# Altium PCB Stabilizer.PCBDOC (part 4 of 8)
Units mil, origin at the board's own origin, x right, y up, seen from the top; angles counter-clockwise.
Board outline 6397 x 3937 mil, 4 copper layers (Top, GP1(GND), L3, Bot), stack 64.883 mil thick; 687 components, 419 nets, 2137 pads, 1042 vias.
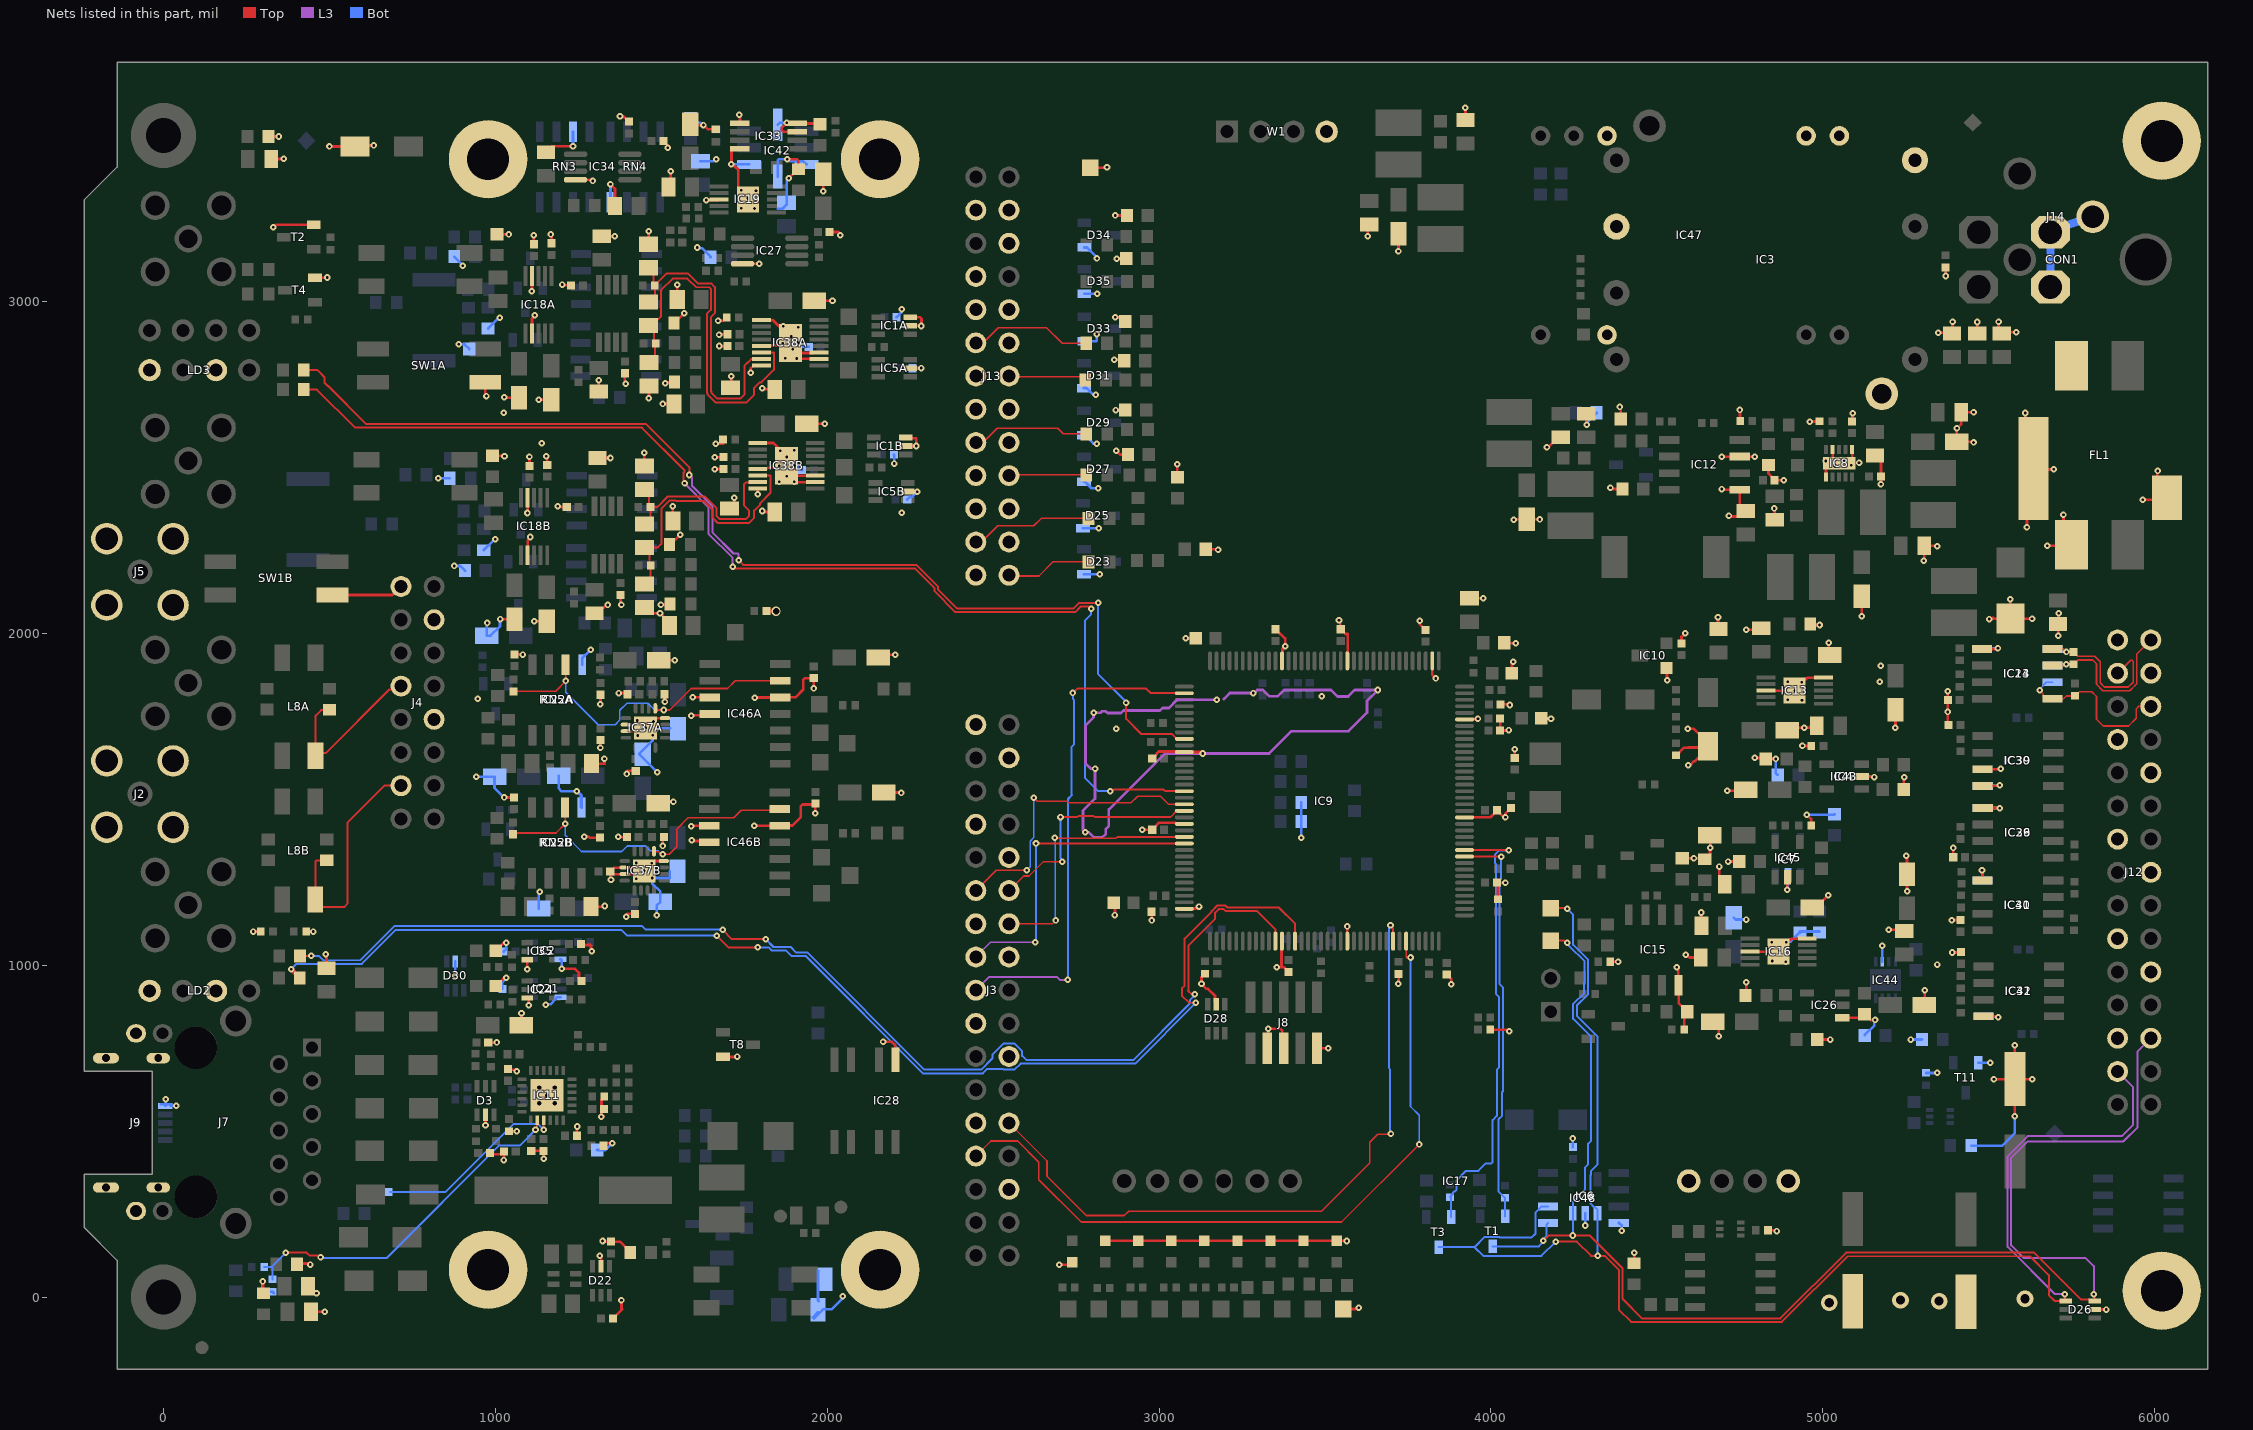
[diagram p6: the nets of this part, all layers, seen from the top]

## Via types
v1: diameter 19.68, hole 7.87, Top to Bot, tented both sides, 826 vias
v2: diameter 27.56, hole 19.68, Top to Bot, tented both sides, 83 vias
v3: diameter 19.68, hole 7.87, Top to Bot, 49 vias
v4: diameter 23.62, hole 11.81, Top to Bot, tented both sides, 41 vias
v5: diameter 50, hole 28, Top to Bot, tented both sides, 37 vias
v6: diameter 25.98, hole 12.99, Top to Bot, tented both sides, 5 vias
v7: diameter 39.37, hole 23.62, Top to Bot, tented both sides, 1 vias

## Nets (pads, with @x,y where several pads share a name; then routed paths per layer and width w, separated by ;. In a path a pad name is that pad's centre, name@x,y a point inside that pad or via, vN(x,y) a via of type N, cw(c..) or ccw(c..) an arc to the next point about the centre after c; other vN are vias at no path point) (continued)
FP_LED_0: IC9.119 R58.2 | length 3628.1
  Top w6: R58.2@411.61,1028.09 v1(445.09,1028.09) ; v1(1684.77,1106.72) 1712.96,1078.54 v1(1814.4,1078.54) ; v1(3107,912) 3098.39,912 3087,923.39 3087.84,924.23 3087.84,1058.84 3169.04,1140.04 3169.04,1158.28 3179.61,1168.84 3194.39,1168.84 3200.39,1162.84 3295.35,1162.84 3350.52,1107.68 IC9.119@3350.52,1072.45
  Bot w6: v1(445.09,1028.09) 468.43,1028.09 481.61,1014.91 593.14,1014.91 695.96,1117.72 1442.41,1117.72 1452.77,1107.36 1684.14,1107.36 v1(1684.77,1106.72) ; v1(1814.4,1078.54) 1838.18,1054.76 1889.55,1054.76 1905.47,1038.84 1939.16,1038.84 2292.76,685.24 2464.16,685.24 2497.8,718.88 2497.8,730.59 2531.44,764.23 2564.16,764.23 2587.29,741.09 2587.29,727.08 2599.82,714.56 2922.98,714.56 3092.98,884.56 3092.98,894.24 3103.25,904.5 3103.25,915.75 v1(3107,912)
FP_LED_1: IC9.122 R76.2 | length 3756
  Top w6: v1(1667.09,1089.05) 1702.37,1053.77 v1(1790.69,1053.77) ; v1(3110.83,886.85) 3090.4,886.85 3068.84,908.41 3068.84,930.47 3076.84,938.47 3076.84,1079.9 3158.04,1161.1 3158.04,1162.83 3175.05,1179.84 3198.95,1179.84 3204.95,1173.84 3360.07,1173.84 3409.57,1124.35 IC9.122@3409.57,1072.45
  Top w15: v1(385,988) 385,987.61 R76.2@410.87,961.74
  Bot w6: v1(385,988) 400.91,1003.91 597.7,1003.91 700.51,1106.72 1379.7,1106.72 1397.37,1089.05 v1(1667.09,1089.05) ; v1(1790.69,1053.77) 1823.61,1053.77 1833.62,1043.76 1876.18,1043.76 1892.1,1027.84 1934.52,1027.84 2288.12,674.24 2468.71,674.24 2481.04,686.56 2530.11,686.56 2531.44,685.24 2564.16,685.24 2582.48,703.56 2927.54,703.56 v1(3110.83,886.85)
FP_LED_2: IC9.89 R77.2 | length 3590.4
  Top w6: R77.2@422.99,2734.54 462.46,2734.54 577.5,2619.5 1441.5,2619.5 1570,2491 1570,2487.49 1566.9,2484.39 1566.9,2455.1 v1(1570,2452) ; v1(1715,2201) 1720.5,2195.5 2264.06,2195.5 2323.35,2136.2 2323.35,2127.14 2386.36,2064.13 2746.9,2064.13 2763.11,2080.34 2788.66,2080.34 v1(2795,2074) ; v1(2853,1524) 2856.7,1524 2862.2,1529.5 3012.81,1529.5 3018.09,1524.22 IC9.89@3075.91,1524.22
  L3 w6: v1(1570,2452) 1642,2380 1642,2300.59 1715,2227.59 v1(1715,2201)
  Bot w6: v1(2795,2074) 2795,2056.79 2776,2037.79 2776,1564.5 2816.23,1524.27 2852.73,1524.27 v1(2853,1524)
FP_LED_3: IC9.81 R78.2 | length 3383.3
  Top w6: R78.2@422.99,2792.81 464.36,2792.81 485.16,2772.01 485.16,2755.61 495.61,2745.16 495.84,2745.16 610.5,2630.5 1454.11,2630.5 1584.75,2499.86 v1(1584.75,2477) ; v1(1733,2220) 1746.5,2206.5 2268.61,2206.5 2334.35,2140.76 2334.35,2131.7 2390.92,2075.13 2742.34,2075.13 2759.21,2092 v1(2817,2092) ; v1(2900.34,1790.66) 2900.34,1742.53 2946.87,1696 3038.99,1696 3053.29,1681.7 IC9.81@3075.91,1681.7
  L3 w6: v1(1584.75,2477) 1592.16,2469.59 1592.16,2445.4 1653.86,2383.7 1653.86,2304.3 1717.6,2240.55 1730.47,2240.55 1733,2238.02 v1(1733,2220)
  Bot w6: v1(2817,2092) 2816.16,2091.16 2816.16,1877.17 2900.34,1792.98 v1(2900.34,1790.66)
GND: C3A.2 C3B.2 C4.1 C5.1 C6A.1 C6B.1 C7A.1 C7B.1 C8.1 C9A.1 C9B.1 C10.2 C11.2 C12A.2 C12B.2 C13.1 C14.1 C15.2 C16A.2 C16B.2 C17.1 C18.1 C19.1 C20.1 C21.1 C22.1 C23.1 C24.2 C25.2 C26.1 C27.1 C28.2 C29.1 C30.1 C31.2 C32.1 C33.1 C34.1 C35.2 C36.1 C37.2 C38.2 C39.1 C40.1 C41.2 C42.1 C43.2 C44.1 C45.1 C46.1 C48.1 C49.2 C50.2 C51.2 C52.2 C53.1 C54A.1 C54B.1 C55.1 C56.2 C57.2 C58.1 C59.1 C60.2 C61.1 C62.1 C63.1 C64.1 C65.2 C66.1 C67.2 C68.1 C69.1 C70.2 C71.2 C72.2 C73.2 C74.2 C75.1 C76.1 C77.2 C78.1 C79.2 C80.1 C81.1 C82.1 C83.1 C84.1 C85.1 C86.2 C87.1 C88.1 C89.1 C90.2 C91.1 C92A.1 C92B.1 C93.1 C95.1 C96.2 C97A.1 C97B.1 C98A.2 C98B.2 C99A.2 C99B.2 C100A.1 C100B.1 C101A.1 C101B.1 C102.2 C103.2 C105.1 C106A.1 C106B.1 C107.1 C108.1 C109.1 C110A.1 C110B.1 C112.1 C113A.1 C113B.1 C114.2 C115.2 C116.1 C117.1 C118.2 C119A.1 C119B.1 C121.1 C122.1 C123.1 C124A.1 C124B.1 C126A.2 C126B.2 C127A.2 C127B.2 C128A.1 C128B.1 C129A.1 C129B.1 C130A.1 C130B.1 C131A.1 C131B.1 C132A.1 C132B.1 C133A.1 C133B.1 C135.1 C136.2 C137A.1 C137B.1 C138A.2 C138B.2 C139.2 C140.1 C141.2 C142A.1 C142B.1 C143A.1 C143B.1 C144.1 C145.1 C146.1 C147.1 C148.1 C149.1 C150A.1 C150B.1 C151A.1 C151B.1 C152.1 C154A.1 C154B.1 C155.1 C157.1 C158.1 C159A.1 C159B.1 C160.1 C161.1 C162.1 C163.1 C164.1 C165.1 C166.1 C167.1 C168.1 C169.1 C171.1 C172A.1 C172B.1 C173A.2 C173B.2 C174.1 D3.2 D8.2 D9.1 D17.2 D22.2 D23.1 D25.1 D26.2 D27.1 D28.2 D29.1 D30.2 D31.1 D33.1 D34.1 D35.1 FL1.4 IC1A.2 IC1A.3 IC1B.2 IC1B.3 IC2.3 IC3.3 IC3.5 IC3.8 IC4.2 IC5A.2 IC5B.2 IC6.2 IC7.2 IC8.1 IC8.4 IC8.6 IC8.11 IC9.16 IC9.31 IC9.38 IC9.51 IC9.61 IC9.83 IC9.94 IC9.107 IC9.120 IC9.130 IC10.1 IC11.25 IC12.1 IC12.3 IC13.5 IC13.8 IC13.11 IC14.5 IC15.4 IC16.5 IC16.8 IC16.11 IC17.7 IC17.10 IC18A.2 IC18A.9 IC18B.2 IC18B.9 IC19.8 IC19.11 IC21.3 IC23.4 IC24.3 IC26.1 IC27.4 IC28.3 IC29.5 IC30.3 IC30.4 IC31.5 IC32.4 IC33.3 IC33.4 IC33.5 IC33.8 IC34.4 IC35.3 IC36.4 IC37A.2 IC37A.3 IC37A.12 IC37A.17 IC37B.2 IC37B.3 IC37B.12 IC37B.17 IC38A.1 IC38A.5 IC38A.8 IC38A.10 IC38A.11 IC38A.17 IC38B.1 IC38B.5 IC38B.8 IC38B.10 IC38B.11 IC38B.17 IC39.5 IC40.4 IC41.5 IC42.3 IC42.4 IC42.5 IC42.8 IC43.2 IC44.6 IC45.2 IC46A.3 IC46A.4 IC46A.12 IC46B.3 IC46B.4 IC46B.12 IC47.2 IC47.3 IC47.9 IC47.16 IC48.4 J2.2 J3.1 J3.4 J3.7 J3.10 J3.13 J3.16 J3.19 J3.22 J3.25 J3.30 J4.1 J4.4 J4.7 J4.10 J4.13 J5.2 J7.L2 J7.L4 J8.3 J8.5 J8.9 J9.5 J9.SHIELD J12.1 J12.4 J12.7 J12.10 J12.13 J12.16 J12.19 J12.22 J12.25 J13.2 J13.3 J13.5 J13.6 J13.8 J13.9 J13.11 J13.12 J13.14 J13.15 J13.17 J13.18 J13.20 J13.21 J13.23 J13.24 L8A.2 L8B.2 LD2.1 LD2.3 LD3.1 LD3.3 LD4.1 LD5.1 LD6.2 LD7.1 LD8.1 LD10.1 LD11.1 LD12.1 LD13.1 pad.0 pad.1 pad.3 R3.1 R4.1 R8.1 R10A.1 R10B.1 R25.1 R27.1 R28.1 R30.1 R38.1 R47.2 R48.1 R49.2 R54.1 R55.2 R65.1 R67A.1 R67B.1 R73.2 R82A.1 R82B.1 R89A.1 R89B.1 R96.2 R101.1 R102.1 R135.1 R154.1 R155.1 R157.1 R161A.1 R161B.1 R163A.1 R163B.1 R182.2 R183.2 R191.1 R192.1 R195.1 R196.1 R197.1 R198.1 R202.2 R206.2 R208.2 R210.1 R211.1 R215.2 R218.2 R224.2 RN3.7 RN4.4 RN5A.4 RN5B.4 SW1A.3 SW1B.3 T2.2 T4.2 T8.2 T11.2 TP16.1 TP17.1 W1.4 | length 24913.5
  Top w5: R73.2@1401.38,129.19 R73.2@1406.14,133.95
  Top w6: R67B.1@491.93,1315.98 461.18,1315.98 457.67,1312.46 L8B.2@457.67,1197.52 457.67,1195.82 478.29,1175.2 544.29,1175.2 555.12,1186.02 555.12,1430.51 665.48,1540.88 J4.13@715.52,1540.88 ; R67A.1@501.03,1768.39 475.09,1768.39 458.35,1751.66 L8A.2@458.35,1631.04 466.5,1639.18 489,1639.18 680.47,1830.65 705.3,1830.65 J4.7@715.52,1840.88
  Top w8: v1(270.67,1101.38) R202.2@291.54,1101.38 ; v1(299,47) 301,45 R4.1@301,11.35 ; R3.1@316.5,3497 v1(347.8,3497) ; C10.2@324.43,3429 361.25,3429 v1(362.25,3430) ; v1(330.75,3223) 339.3,3231.55 T2.2@452.8,3231.55 ; R135.1@414.5,101 436.12,101 439.13,97.99 v1(442.29,97.99) ; R215.2@429.92,1101.38 v1(451.77,1101.38) ; C11.2@444.43,-44 v1(486,-44) ; C103.2@444.43,33 444.43,19.4 452.1,11.74 v1(461.11,11.74) ; T4.2@456.46,3071.75 v1@494,3071.75 ; v1(489,1032.75) 491.1,1030.65 C102.2@491.1,990.87 ; v1(494,3072.14) v1@494.39,3071.75 ; v1(500.18,3466.9) 573.02,3466.9 576.11,3469.99 v1(633.42,3469.99) ; SW1B.3@509.61,2115.65 690.29,2115.65 J4.1@715.52,2140.88 ; v1@944.22,1805.83 v1(947,1803.05) ; SW1A.3@969.49,2756.79 969.49,2715 v1(973.17,2715) ; D3.2@970.05,561.15 970.31,560.88 v1(970.31,518) ; C79.2@978.72,766.72 1003.43,766.72 v1(1003.86,767.16) ; C80.1@984.08,430.48 1018.34,430.48 C82.1@1026.02,438.16 1026.02,413.45 v1(1025.44,412.87) ; C110B.1@991.76,2534.94 1026.51,2534.94 v1(1027.58,2533.88) ; C5.1@1003.59,1041.79 C5.1@1001.62,1043.76 1025.24,1067.38 v1(1033,1067.38) ; C110A.1@1004.92,3202.85 1039.68,3202.85 v1(1040.74,3201.78) ; C116.1@1006.46,932.54 C116.1@1001.62,937.38 1025.98,961.74 v1(1033,961.74) ; v1(1014.2,2043) 1015.2,2042 C127B.2@1057.91,2042 ; v1(1026.47,1505.43) C154B.1@1055.72,1505.43 ; v1(1027.37,2710.9) 1028.37,2709.9 C127A.2@1071.08,2709.9 ; C85.1@1036.42,684.96 1060.04,684.96 v1(1064,681) ; R49.2@1040.6,499.5 1064.58,499.5 v1(1064.77,499.69) ; C154A.1@1057.49,1936.45 1081.84,1936.45 v1(1082.23,1936.05) ; C52.2@1078.76,819.2 v1(1078.76,854.92) ; IC24.3@1096,900.91 1096.34,900.91 1100.22,897.04 v1(1100.22,879.51) ; v1(1096,987.61) IC35.3@1096,1016.2 ; v1(1096.79,2362.57) 1097.28,2363.05 IC18B.9@1097.28,2408.77 ; IC18B.2@1097.28,2235.54 1097.28,2280.28 v1@1103.72,2286.72 ; C128B.1@1102.79,2504.43 v1(1102.79,2531.51) ; C88.1@1108.24,440.52 C81.1@1145.64,440.53 v1(1145.64,417.36) ; v1(1109.96,3030.47) 1110.45,3030.96 IC18A.9@1110.45,3076.67 ; IC18A.2@1110.45,2903.44 1110.45,2948.18 v1@1116.88,2954.62 ; C128A.1@1115.96,3172.33 v1(1115.96,3199.41) ; v1(1117.15,2035.93) C130B.1@1155.35,2035.93 ; v1(1130.31,2703.83) C130A.1@1168.52,2703.83 ; C75.1@1152.68,3449.76 1170.93,3468 v1(1234,3468) ; v1(1153.58,2533.88) 1156.33,2531.13 C129B.1@1156.33,2507.39 ; v1(1166.75,3201.78) 1169.5,3199.03 C129A.1@1169.5,3175.29 ; v1(1187.83,2383) 1190.41,2380.42 C133B.1@1215.2,2380.42 ; v1(1200,988.8) 1239.9,988.8 1251.89,976.82 1251.89,960.3 C8.1@1260.09,952.09 ; v1(1201,3050.9) 1203.58,3048.32 C133A.1@1228.37,3048.32 ; IC34.4@1241.75,3366.7 1289.22,3366.7 v1(1292.93,3363) ; C83.1@1245.72,486 1245.72,512.72 v1(1247,514) ; C4.1@1257.64,1063.94 1260.89,1060.7 1285.98,1060.7 1288.44,1058.25 1288.44,1044.54 v1(1290.67,1042.3) ; v1(1267.48,1387.33) 1281.18,1387.33 1284.64,1383.87 C3B.2@1315,1383.87 ; C106B.1@1288.43,1176.59 1328.24,1176.59 v1(1330,1178.35) ; C106A.1@1290.19,1607.21 1329.24,1607.21 1328.78,1607.67 v1(1328.78,1621.64) ; C131B.1@1298.79,2060.54 1309.8,2060.54 1338.15,2088.89 v1(1338.15,2085.42) ; C113B.1@1307.65,2528.3 v1(1346.91,2528.3) ; v1(1311.96,2762.67) C131A.1@1311.96,2728.44 C131A.1@1322.96,2728.44 ; v1(1314.46,124.63) 1318.59,120.51 1318.59,80.51 D22.2@1318.18,80.1 ; v1(1316,1786.54) 1316.77,1785.77 C3A.2@1316.77,1814.49 ; v1(1316.77,1655) C92A.1@1316.77,1678.07 ; v1(1319,543) v1@1320,543 ; C113A.1@1320.82,3196.2 v1(1360.07,3196.2) ; v1(1323,169) 1325.07,166.93 C109.1@1348.48,166.93 1375.13,166.93 1406.14,135.92 R73.2@1406.14,133.95 ; C91.1@1325.37,463 v1(1352,463) ; v1@1326,545.09 v1@1323.91,543 ; R47.2@1328.55,604.06 1320,595.52 v1@1320,543 ; v1(1346.86,3352.67) 1360.45,3339.08 C76.1@1360.45,3287.53 ; v1(1348.48,1257.87) 1346.26,1260.09 C92B.1@1346.26,1281.94 ; C108.1@1354.09,-64.44 1381.53,-37 1380,-35.47 v1(1380,-10) ; v1(1370.29,1386.74) 1371.18,1385.84 C142B.1@1396.32,1385.84 ; v1(1372.05,1820.1) 1394.45,1820.1 C142A.1@1398.09,1816.46 ; v1(1375.57,3557.45) 1377.05,3555.96 1388.07,3555.96 C20.1@1402.18,3541.86 ; C132B.1@1377.04,2115.81 1377.04,2088.57 v1(1380,2085.6) ; IC37B.3@1389.65,1274.42 1353.79,1274.42 C92B.1@1346.26,1281.94 ; IC37B.2@1389.65,1294.1 1358.42,1294.1 C92B.1@1346.26,1281.94 ; C132A.1@1390.2,2783.72 1390.2,2754.43 v1(1393.17,2751.47) ; IC37A.3@1393.38,1705.04 1427.04,1705.04 IC37A.17@1436.88,1714.88 ; IC37A.2@1393.38,1724.73 1422.93,1724.73 1432.77,1714.88 IC37A.17@1436.88,1714.88 ; IC37B.3@1393.59,1274.42 IC37B.17@1440.83,1274.42 ; IC37B.2@1393.59,1294.1 IC37B.17@1440.83,1294.1 ; v1(1394.12,1145.59) 1394.12,1151.62 1397.31,1154.81 C101B.1@1421.14,1154.81 ; v1(1395.88,1576.22) 1395.88,1582.25 1399.07,1585.44 C101A.1@1422.91,1585.44 ; C119B.1@1448.88,2504.43 v1(1448.88,2543.87) ; C126B.2@1455.85,2060.54 v1(1496.11,2060.54) 1526.37,2030.27 1517.93,2030.27 C151B.1@1525.07,2023.13 ; v1(1462.05,2708.78) 1462.91,2709.63 C126A.2@1462.91,2745.33 ; C119A.1@1462.05,3172.33 v1(1462.05,3211.77) ; v3(1476.69,1734.24) IC37A.17@1475.04,1735.88 ; IC37B.17@1478.23,1313.79 IC37B.12@1507.76,1313.79 IC37B.17@1480.2,1313.79 ; C12B.2@1490.44,1488.11 1495.33,1493 v1(1536.67,1493) ; C12A.2@1492.2,1918.73 v1(1540.73,1918.73) ; v1@1497,2087.66 1498.66,2086 v1(1499,2086) 1523.81,2086 R163B.1@1526.69,2088.89 ; v1(1504,1359.22) 1504,1382.09 C143B.1@1507.76,1385.84 ; v1(1504.77,2691.03) C151A.1@1538.24,2691.03 ; C22.1@1506.16,3483.83 1520,3469.99 v1(1520,3463) ; C143A.1@1509.52,1816.47 1511.03,1814.96 v1(1511.03,1793.39) ; IC37A.12@1511.49,1744.41 1483.58,1744.41 IC37A.17@1475.04,1735.88 ; v1(1512,2753) 1512,2753.22 1513.78,2755 1511.99,2756.79 R163A.1@1539.86,2756.79 ; R161B.1@1525.07,2267.03 1527.04,2267.03 v1(1556.57,2296.56) ; C140.1@1528.87,3345.04 v1(1528.87,3392.29) ; v1(1534.68,2382.84) 1534.91,2382.6 C150B.1@1534.91,2338.29 ; R161A.1@1538.24,2934.93 1540.21,2934.93 v1(1569.73,2964.46) ; v1(1547.84,3050.74) 1548.08,3050.5 C150A.1@1548.08,3006.19 ; C141.2@1587.29,3534.18 1589.97,3531.5 v1(1627.05,3531.5) 1640.05,3518.5 R157.1@1664.14,3518.5 ; v1(1590.68,1419.05) 1592.03,1420.39 IC46B.3@1654.51,1420.39 ; v1(1590.68,1751.12) 1592.91,1753.36 1652.34,1753.36 IC46A.4@1656.06,1757.07 ; v1(1591.76,1376.7) 1594.93,1376.7 1597.49,1374.13 1650.77,1374.13 IC46B.4@1654.51,1370.39 ; v1(1594.44,1807.39) 1594.76,1807.07 IC46A.3@1656.06,1807.07 ; v1(1634.93,3305.5) 1672.72,3305.5 IC19.8@1674.44,3307.21 ; v1(1661.23,2494.94) C54B.1@1687.61,2494.94 ; v1(1661.61,2530.81) C100B.1@1687.78,2530.81 ; v1(1663.81,2571.32) R10B.1@1686.2,2571.32 ; v1(1671,2942) 1686.73,2942 1687.03,2941.69 R10A.1@1696.87,2951.54 ; v1(1674,2900) 1675.19,2901.19 C100A.1@1699.63,2901.19 ; v1(1674.44,2865.71) 1674.83,2865.32 C54A.1@1699.47,2865.32 ; T8.2@1694.58,714.8 T8.2@1685.78,723.6 1727.35,723.6 v1(1728.49,724.73) ; v1(1711,2774) 1716.18,2774 1710.45,2779.73 1710.45,2754.68 C6A.1@1720.09,2745.04 ; v1(1720,2409) 1720.24,2408.76 C6B.1@1720.24,2375.23 ; v1(1734.9,3563) 1736.97,3560.93 IC33.5@1736.97,3536.78 ; IC33.8@1736.97,3460.01 1716.3,3460.01 1711.44,3455.15 1711.44,3413.31 v1(1711.13,3413) 1714.29,3413 1724.45,3402.84 1726.21,3402.84 1731.86,3397.19 1731.86,3336.4 IC19.11@1761.05,3307.21 ; IC27.4@1745.05,3113.71 v1(1795.64,3113.71) ; v1(1769.45,2784.97) 1769.45,2797.45 1778,2806 1802.01,2806 IC38A.8@1802.39,2806.38 ; v1(1780,1420.09) 1780.31,1420.39 IC46B.12@1857.26,1420.39 1857.94,1421.07 1895.09,1421.07 1920.61,1446.59 1920.61,1479.31 1925.29,1484 1961.39,1484 C172B.1@1964.2,1486.82 1964.2,1458.57 v1(1963.92,1458.28) ; v1(1781.59,1805.83) 1782.21,1806.45 1848.35,1806.45 1848.97,1807.07 1903.8,1807.07 1928.19,1831.47 1928.19,1860.34 1932.88,1865.02 C172A.1@1959.39,1865.02 v1(1959.39,1833.88) ; v1(1790.69,2419.22) IC38B.8@1790.69,2435.85 ; IC38A.5@1795.86,2864.33 1816.37,2864.33 1819.33,2867.29 1854.73,2867.29 1897.06,2824.96 1899.03,2826.93 1957.28,2826.93 IC38A.10@1959.25,2824.96 ; IC38A.1@1795.86,2943.07 1837.38,2943.07 IC38A.17@1877.55,2902.89 ; IC38B.5@1796.01,2494.51 1816.52,2494.51 1820.7,2498.69 IC38B.17@1854.88,2498.69 ; IC38B.1@1796.01,2573.25 1837.52,2573.25 1877.7,2533.08 1854.88,2510.26 v3(1854.88,2504.75) ; v1(1803.97,2738.35) 1807.12,2735.2 C9A.1@1842.12,2735.2 ; v1(1804.12,2368.53) 1807.27,2365.38 C9B.1@1842.27,2365.38 ; IC38A.17@1860.24,2874.57 IC38A.17@1860.79,2874.57 ; v1(1879.31,3428.67) 1908.32,3428.67 1913.14,3423.86 R155.1@1913.14,3398.2 1911.17,3398.2 1884.48,3371.51 v1(1883.95,3371.51) ; IC33.3@1910.19,3511.19 1867.81,3511.19 1862.65,3516.35 1862.65,3522.98 v1(1877.7,3538.02) 1878.32,3537.4 1908.79,3537.4 1910.19,3536 1975.55,3536 C149.1@1978.11,3533.43 ; C16B.2@1938.74,2631.72 v1(1992,2631.72) ; IC38A.11@1959.25,2844.64 1907.08,2844.64 v3(1895.72,2856) 1877.16,2874.57 v3(1865.83,2874.57) ; IC38B.10@1959.39,2455.14 1897.21,2455.14 1854.88,2497.47 IC38B.17@1854.88,2498.69 ; IC38B.11@1959.39,2474.83 1907.23,2474.83 IC38B.17@1877.3,2504.75 IC38B.17@1865.98,2504.75 ; C16A.2@1961.45,3002.54 2015.32,3002.54 v1(2015.86,3002) ; v1(1987.79,3331.44) C139.2@1987.79,3382.62 ; C152.1@2007.04,3209.38 2033.38,3209.38 2039.24,3203.51 v1(2039.24,3200) ; C173A.2@2153.39,1927.09 2161.3,1935 v1(2204.83,1935) ; v1@2170.13,771 v1(2168.13,769) 2195,769 2205.23,758.77 2205.23,715.57 IC28.3@2205.76,715.04 IC28.3@2206.38,714.42 ; C173B.2@2170.18,1520.39 2221.72,1520.39 v1(2223.2,1518.92) ; IC1B.2@2236.23,2564.37 v1(2267.92,2564.37) 2267.92,2587.79 2238.4,2587.79 IC1B.3@2236.23,2589.96 ; IC5B.2@2242.23,2427 v1(2271.79,2427) ; IC5A.2@2249.82,2798.77 2250.09,2799.04 2283.59,2799.04 v1(2283.86,2799.31) ; IC1A.2@2249.82,2926.86 2250.25,2926.43 2282.42,2926.43 2283.86,2927.87 2283.86,2947.77 2279.17,2952.46 IC1A.3@2249.82,2952.46 ; v1(2699,97) 2746.56,97 LD6.2@2738.81,104.75 ; TP16.1@2793,3403 2842,3403 v1(2843,3404) ; LD4.1@2838.28,169.72 LD7.1@3136.69,169.72 3564.28,169.72 v1(3565,169) ; C24.2@2863.87,1187.87 2866.89,1184.85 v1(2866.89,1151.14) ; v1(2864.92,2823.83) C162.1@2894.45,2823.83 ; v1(2867.87,3259.02) C165.1@2903.31,3259.02 ; v1(2867.97,2952.29) 2881.84,2952.29 C164.1@2898.38,2935.74 ; v1(2868.86,2672.75) C160.1@2898.39,2672.75 ; v1(2870.83,2550.5) 2882.64,2538.69 C158.1@2906.26,2538.69 ; v1(2871.81,3129.11) C166.1@2901.34,3129.11 ; v1(2949.51,1407.97) C74.2@2979.42,1407.97 2993.28,1421.83 2993.28,1423.53 2998.92,1429.17 3048.87,1429.17 3052.24,1425.79 IC9.94@3075.91,1425.79 ; v1(2977.45,1134.74) C57.2@2977.45,1161.02 ; C73.2@2979.42,1622.64 2993.28,1636.51 2993.28,1638.21 2998.92,1643.85 3050.72,1643.85 3052.24,1642.33 IC9.83@3075.91,1642.33 3124.15,1642.33 3128.62,1637.87 v1(3131.78,1637.87) ; C155.1@3055,2470.49 3055,2501.83 3054.81,2502.01 3054.81,2508.64 3055,2508.83 v1(3055,2509.53) ; IC9.107@3075.91,1169.89 3076.64,1170.62 3110.88,1170.62 3117.04,1176.78 v1(3120.2,1176.78) ; v1(3080.14,1984.85) C25.2@3110.97,1984.85 ; R30.1@3138.52,974.58 3127.72,963.78 v1(3127.71,944.41) 3143.47,928.66 3147.6,928.66 3168.35,907.91 3168.35,886.05 D28.2@3172.23,882.18 ; C135.1@3140.5,2253.34 3176,2253.34 3177.08,2252.26 v1(3177.55,2252.26) ; J8.3@3325.58,785.74 3329.06,789.22 v1(3329.06,808) 3365.91,808 3370.59,803.31 3370.59,755.07 J8.5@3375.58,750.09 ; C35.2@3342.38,2012.34 3342.38,2012.04 3352.53,2012.04 3379.72,1984.85 3379.72,1961.14 3371.72,1953.15 3371.72,1918.46 IC9.61@3370.2,1916.94 ; C35.2@3350.52,2012.34 3364.74,1998.12 ; v1@3354.14,994.07 v1(3354.35,994.07) 3368.6,994.07 ; IC9.120@3370.2,1072.45 3368.6,1070.85 3368.6,994.07 ; C70.2@3389.81,979.84 3375.58,994.07 3368.6,994.07 ; J8.9@3475.58,750.09 3475.92,749.74 v1(3509.76,749.74) ; v1(3542,2039) 3546.27,2039 3546.27,2013.44 C37.2@3547.37,2012.34 3561.6,1998.12 3568.57,1998.12 3568.57,1918.46 IC9.51@3567.05,1916.94 ; TP17.1@3554.67,-36.02 3597.3,-36.02 v1(3601,-32.31) ; IC9.130@3567.05,1072.45 v1(3567.05,1116.74) ; v1(3628.5,3195.88) 3628.5,3227.57 C27.1@3632.74,3231.82 ; v1(3720,943.62) 3721.77,945.38 R96.2@3721.77,973.4 ; v1(3721.17,3151.23) C28.2@3721.17,3204.26 ; v1(3785,2038) 3785,2027.45 C71.2@3802.08,2010.38 ; IC9.38@3822.96,1916.94 3822.96,1875.6 3833.94,1864.62 v1(3833.94,1863.93) ; C72.2@3866.84,971.76 3880,958.6 v1(3880,943) ; IC9.16@3920.4,1445.48 3920.4,1445.81 3998.34,1445.81 4017.84,1465.31 C38.2@4017.84,1467.01 4039.37,1445.48 v1(4043.59,1445.48) 4043.59,1456.77 C21.1@4060.75,1473.94 ; IC9.31@3920.4,1740.75 3958.56,1740.75 v1(3960.8,1743) ; C26.1@3922.99,3546.43 v1(3923.01,3584.14) ; C78.1@3934.8,2105.78 v1(3977.11,2105.78) ; R191.1@3997.87,805.69 4046.45,805.69 4051.52,800.61 v1(4054.68,800.61) ; R198.1@4020.87,1198.89 4020.87,1245.6 C43.2@4017.84,1248.63 v1(4043.59,1248.63) ; C31.2@4027.68,1743.62 C41.2@4027.68,1707.04 4051.99,1707.04 v1(4053.47,1708.52) ; C15.2@4029.26,1785.78 4057.9,1785.78 v1(4056.15,1784.02) ; C136.2@4039.37,1971.66 4041.19,1969.84 v1(4074.44,1969.84) ; C107.1@4063.11,1879.29 4063.11,1910.04 v1(4067.05,1913.97) ; v1(4069,2342) 4070.73,2343.73 C18.1@4107.45,2343.73 4146.27,2343.73 v1(4147,2343) ; C23.1@4071.58,1624.51 4071.58,1650.5 v1(4072.08,1651) ; C14.1@4151.34,1743.62 4180.24,1743.62 v1(4180.87,1743) ; v1(4168.68,2560.13) 4170.92,2562.37 4174.76,2562.37 4203.5,2591.11 C42.1@4210.39,2591.11 ; C40.1@4287.33,2661.98 4288.47,2660.83 v1(4288.47,2627.87) ; R224.2@4359.9,1010.41 v1(4382.79,1010.41) ; v1(4360,2439) 4364.3,2434.7 C69.1@4396.26,2434.7 ; v1(4388,2682) 4390.53,2679.47 C95.1@4390.53,2645.33 ; v1(4431.27,134) 4431.27,102.12 R101.1@4431.48,101.9 ; v1(4530.53,1858.25) IC10.1@4530.53,1895.04 ; R65.1@4558,1631.99 4558.79,1631.99 4582.22,1655.42 4593.81,1655.42 4594.5,1656.11 D8.2@4653.69,1656.11 ; v1(4559.48,993.55) 4564.73,988.3 IC15.4@4564.73,939.65 ; IC15.4@4565.28,941.65 4565.28,886.29 4576.21,875.36 4577.2,875.36 4591.9,860.66 C68.1@4591.9,859.68 ; C67.2@4574,1969.84 4574,1989.22 v1(4585.08,2000.3) ; C66.1@4576.21,1322.2 v1(4611.61,1322.2) 4640.81,1322.2 R192.1@4644,1319.01 4645.97,1319.01 4659.69,1332.73 4659.69,1352.53 v1(4660.86,1353.7) 4660.86,1389.13 C56.2@4658.89,1391.1 ; R48.1@4582.25,805.93 C68.1@4582.25,859.68 ; v1@4591.57,1026.99 v1(4587.17,1031.39) 4590.33,1031.39 4598.33,1023.39 C112.1@4631.9,1023.39 ; v1(4592.95,1712.16) 4611.42,1712.16 4624.22,1699.35 4627.17,1699.35 4653.69,1672.84 D8.2@4653.69,1656.11 ; v1(4594.5,1601.96) 4599.53,1601.96 4612.41,1614.83 4615.36,1614.83 4653.69,1653.16 D8.2@4653.69,1656.11 ; v1(4632.98,1158.74) 4632.98,1120.18 C30.1@4634.11,1119.05 ; C89.1@4668.73,830.08 4686,812.81 v1(4686,786) ; v1(4684,2048.49) 4684,2014.76 C157.1@4685.83,2012.94 ; v1(4688.24,1297.3) 4688.24,1259.38 C53.1@4704.16,1243.46 ; v1(4695,2434.7) 4697.17,2432.53 IC12.1@4749.71,2432.53 4749.71,2370.63 4768.14,2352.19 4718.81,2352.19 v1(4717,2354) ; v1(4695.58,2532) 4696.11,2532.53 IC12.3@4749.71,2532.53 4750.24,2532 v1(4794.22,2532) ; v1(4712.04,1525.67) 4763.93,1525.67 C65.2@4767.16,1528.89 ; v1(4714.27,1312.36) C55.1@4761.25,1312.36 ; v1(4750,2673) 4750.31,2672.69 4750.31,2639.51 R208.2@4750.62,2639.2 ; R38.1@4767.16,908.82 4769.12,910.78 v1(4769.12,948.19) ; v1(4769.12,2011.18) C62.1@4800.62,2011.18 ; IC16.8@4779.77,1040.78 IC16.11@4866.39,1040.78 ; v1(4794.22,1624.51) 4817.5,1624.51 4820.6,1621.41 C45.1@4828.18,1621.41 v1(4857.63,1621.41) ; IC13.8@4828.14,1827.22 IC13.11@4914.76,1827.22 4914.76,1833.13 4943.83,1862.2 4949.73,1862.2 4954.13,1866.59 IC13.5@5001.37,1866.59 ; R102.1@4834.59,201.33 4858.85,201.33 v1(4861.19,199) ; R206.2@4836,2507.5 4836,2481.57 4846.51,2471.06 4846.51,2469.36 C93.1@4854.72,2461.15 4881.16,2461.15 v1(4881.75,2461.74) ; v1(4853.64,2376.24) 4854.61,2376.24 4855.43,2375.42 C123.1@4855.43,2341.77 ; IC16.11@4869.48,1043.88 IC16.11@4887.23,1061.63 ; v1(4893.16,1227.69) IC7.2@4893.16,1265.08 ; IC16.11@4895.46,1075.76 4901.36,1075.76 4905.76,1080.15 IC16.5@4953,1080.15 ; C51.2@4908.89,1715.9 v1(4943.83,1715.9) 4960.06,1715.9 C13.1@4967.94,1723.78 ; v1(4938.56,1661.13) 4939.25,1660.44 R27.1@4964.99,1660.44 ; v1(4952,1453) 4953,1453 4964.79,1441.21 R54.1@4964.79,1420.63 ; v1(4961,2637) 4962.1,2638.1 4988.82,2638.1 R28.1@4989.92,2639.2 ; R25.1@4962.06,2027.94 4964.91,2025.09 v1(4989.92,2025.09) ; C114.2@4968.1,1173.74 4978.93,1173.74 v1(5016.27,1211.08) ; C46.1@4983.5,776 v1(5022.53,776) ; IC8.6@5009.61,2471.09 5009.61,2493.87 5028.16,2512.43 IC8.11@5048.98,2512.43 5054.88,2518.34 5088.35,2518.34 IC8.1@5088.35,2553.77 ; v1(5018,1971.66) 5018,1937.96 C118.2@5021.24,1934.72 ; IC8.11@5029.29,2518.34 IC8.4@5029.29,2553.77 ; IC26.1@5058.49,841.89 5114.38,841.89 C44.1@5125,852.5 5125.93,852.5 5143.43,835 v1(5157.24,835) ; C63.1@5088.35,2638.41 5088.35,2661.35 v1(5090,2663) ; v1(5117,2052) 5117.55,2052.55 C50.2@5117.55,2111.82 ; IC4.2@5117.55,1568.26 5153.74,1568.26 v1(5155,1567) ; C64.1@5157.24,2536.05 5158.29,2536.05 5174.96,2519.38 C58.1@5174.96,2473.06 5174.96,2447.51 5175,2447.55 v1(5175,2449) ; v1@5169.3,1852.3 v1(5171,1854) ; v1(5198.84,1106.44) 5241.53,1106.44 C61.1@5245,1102.97 ; v1(5218,1716) 5219,1717 C77.2@5219,1769.82 ; C117.1@5243.53,1528.89 5243.53,1565.37 v1(5245,1566.83) ; v1(5251.48,1329.93) 5253.7,1327.7 C60.2@5253.7,1273.61 v1(5253.7,1222.43) ; v1(5304.24,2219) 5305.43,2220.19 C59.1@5305.43,2264 5343,2264 v1(5345,2262) ; C19.1@5304.88,880.27 5306.63,882.02 v1(5306.63,924.73) ; v1(5348.02,2905.16) 5387.32,2905.16 C32.1@5389.18,2903.3 5390.71,2904.83 v1(5390.71,2938.34) ; R8.1@5369.84,3102.29 5369.84,3076.83 v1(5370,3076.67) ; C145.1@5376.75,1723.78 v1(5376.75,1763) 5376.75,1772.54 C144.1@5376.75,1799 v1(5376.75,1825.32) ; v1(5388.53,1135.44) 5389.29,1136.2 C147.1@5414.58,1136.2 ; v1(5389.53,1038.25) 5414.66,1038.25 C146.1@5416.18,1039.77 ; C148.1@5392.87,1325.37 5392.87,1352.83 v1(5393.24,1353.2) ; v1(5454,2575.12) 5451.79,2577.33 C49.2@5403.31,2577.33 5403.31,2617.31 v1(5404,2618) 5417.09,2631.09 C34.1@5417.09,2665.91 v1(5454,2665.91) ; v1(5464.85,2938.05) 5464.85,2903.82 C36.1@5465.36,2903.3 ; IC14.5@5479.36,1952.74 5525.48,1952.74 v1(5527.53,1954.79) ; v1(5479.53,1286.44) 5481.36,1284.61 IC31.5@5481.36,1255.05 ; IC30.4@5481.36,1540.31 5531.27,1540.31 v1(5533.53,1542.57) ; IC30.3@5481.36,1590.31 5535.4,1590.31 v1(5536.53,1591.44) ; IC29.5@5481.76,1473.78 5532.19,1473.78 v1(5532.53,1473.44) ; IC32.4@5483.76,846.02 5525.95,846.02 v1(5528.53,843.44) ; v1@5502.35,2044.22 D17.2@5565.65,2044.22 v1@5630.05,2044.22 ; 5512,2047.22 5513,2046.22 ; v1(5515.51,656.19) 5516.16,656.84 C86.2@5578.5,656.84 ; v1(5529.29,2939) 5529.29,2912.8 5540.77,2901.32 5546.63,2907.18 v1(5583.12,2907.18) ; D17.2@5564.65,2045.22 v1(5564.65,2102.55) ; v1(5578.5,544.63) C86.2@5578.5,656.84 ; v1(5578.5,759.2) C86.2@5578.5,656.84 ; v1(5610,2663.83) 5610,2521.46 FL1.4@5634.78,2496.68 5615,2476.91 FL1.4@5615,2457.51 ; v1(5615,2320) FL1.4@5615,2402.05 ; FL1.4@5615,2444.17 FL1.4@5615,2414.74 ; FL1.4@5618.78,2444.17 FL1.4@5618.78,2457.51 ; v1(5630.67,656.84) C86.2@5578.5,656.84 ; FL1.4@5646.37,2485.09 5655.06,2493.78 v1(5695.18,2493.78) ; v1(5675.65,2264) 5725,2264 5727.37,2266.37 FL1.4@5748.95,2266.37 5745.24,2262.66 FL1.4@5727.37,2262.66 ; v1(5708.79,1992.27) C48.1@5708.79,2027.94 5710.62,2026.1 v1(5710.62,2060.83) ; v1(5725,2356.86) 5725,2266.45 FL1.4@5725.08,2266.37 ; D26.2@5819.01,-37.56 v1(5854.2,-37.56) ; v1(5963.68,2402.85) 6004.48,2402.85 FL1.4@6007.86,2406.23 ; v1(6009.13,2489.15) 6007.86,2487.88 6007.86,2408.1 FL1.4@6036.35,2408.1 ; v1@1320,543 1320,539.09 v1@1323.91,543 ; v1@1320,543 v1@1323.91,543 ; IC37A.17@1436.88,1714.88 v3(1452.44,1714.88) 1454.05,1714.88 IC37A.17@1475.04,1735.88 ; IC38B.17@1854.88,2498.69 v3(1854.88,2504.75) ; IC38B.17@1854.88,2498.69 1872.04,2498.69 IC38B.17@1865.98,2504.75 ; v3(1854.88,2504.75) IC38B.17@1865.98,2504.75 ; IC38A.17@1860.79,2874.57 v3(1865.83,2874.57) ; IC38A.17@1860.79,2874.57 1854.73,2868.51 1871.89,2868.51 v3(1865.83,2874.57) ; FL1.4@5615,2402.05 FL1.4@5615,2414.74 ; FL1.4@5615,2402.05 5608.66,2408.4 FL1.4@5615,2414.74